# KiCad board pcb.kicad_pcb (continued)
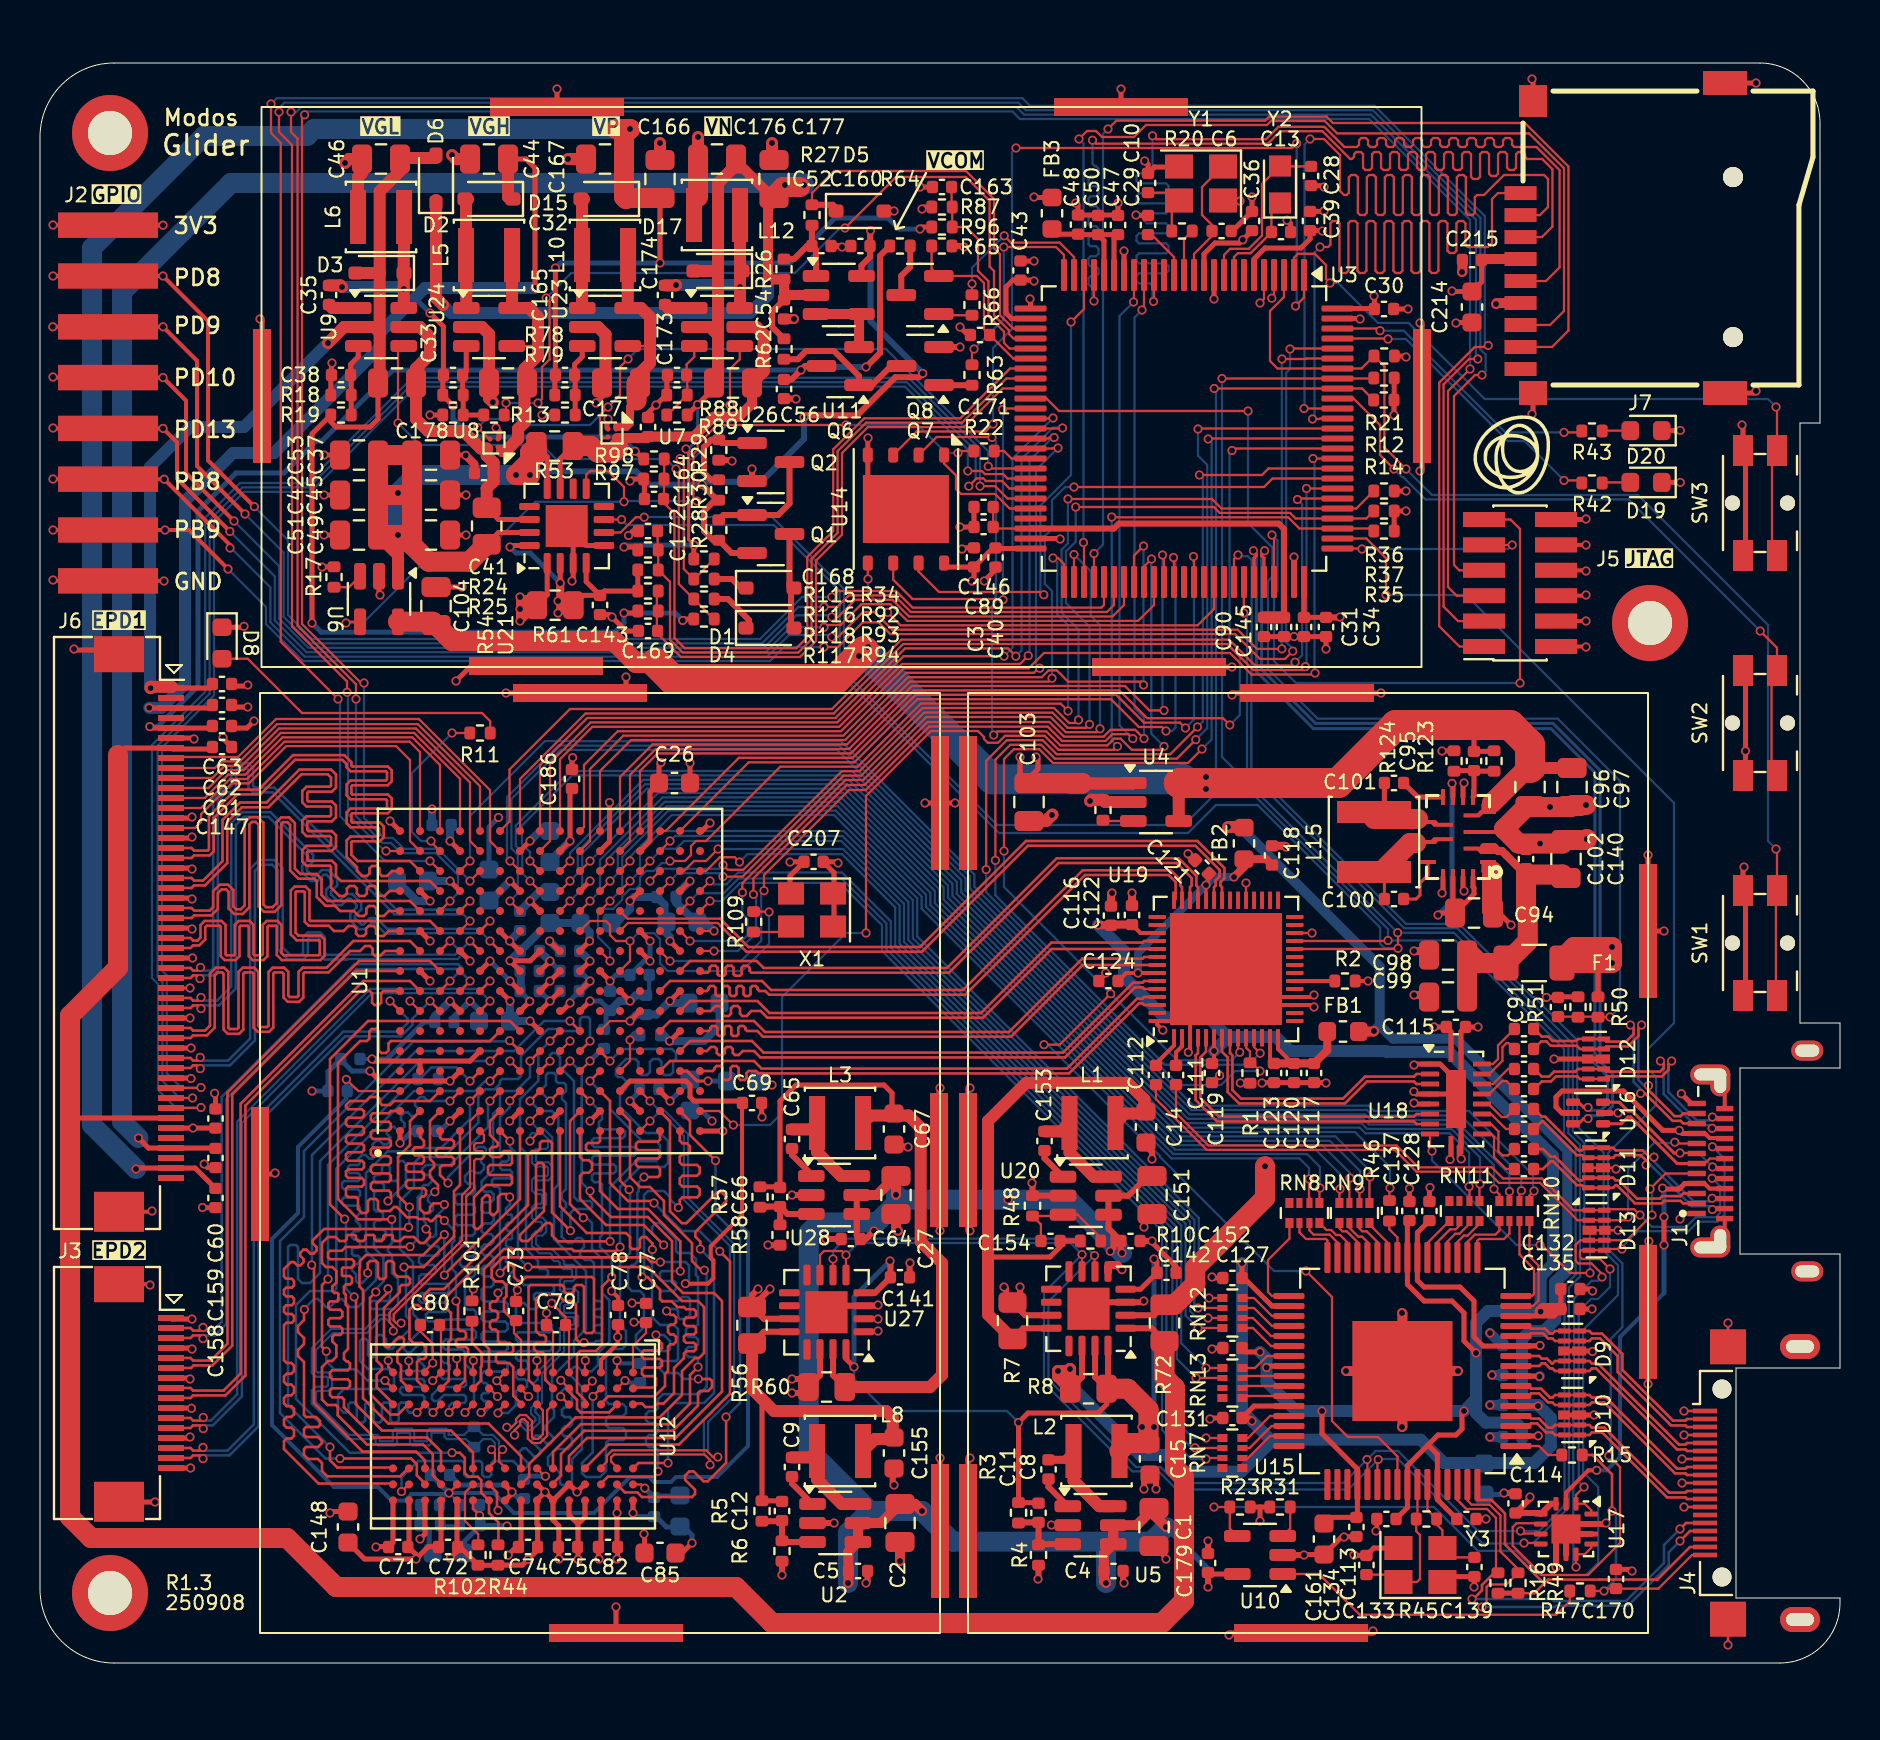
[diagram p0: board, top side]
## Placement (name value [footprint] x y rotation side) (continued)
RN9  33R / 4D02WGF330JTCE  [R_Array_Convex_4x0402]  65.72 22.5 90 top
RN10  33R / 4D02WGF330JTCE  [R_Array_Convex_4x0402]  73.72 22.6 90 top
RN11  33R / 4D02WGF330JTCE  [R_Array_Convex_4x0402]  71.22 22.6 90 top
RN12  33R / 4D02WGF330JTCE  [R_Array_Convex_4x0402]  59.62 17.5 180 top
RN13  33R / 4D02WGF330JTCE  [R_Array_Convex_4x0402]  59.62 14 180 top
SW1  SW  [Panasonic_EVQPUL_EVQPUC]  86 36 270 top
SW2  SW  [Panasonic_EVQPUL_EVQPUC]  86 47 270 top
SW3  SW  [Panasonic_EVQPUL_EVQPUC]  86 58 270 top
U1  XC6SLX-FTG256  [Xilinx_FTG256]  25.5 34.1 90 top
U2  SY8113C  [TSOT-23-6]  39.76 7 0 top
U3  STM32H750VBTx  [LQFP-100_14x14mm_P0.5mm]  57.2 61.73 270 top
U4  MT9700  [SOT-23-5]  55.8 43.05 0 top
U5  SY8113C  [TSOT-23-6]  52.53 6.89 0 top
U6  MT9700  [SOT-23-5]  16.95 53.2 270 top
U7  TPS22914BYFPR  [WLP-4_0.83x0.83mm_P0.4mm]  28.6 61.5 270 top
U8  TPS22914BYFPR  [WLP-4_0.83x0.83mm_P0.4mm]  22.7 61 180 top
U9  LGS5145  [TSOT-23-6]  17.05 66.8 0 top
U10  MT9700  [SOT-23-5]  61 5.4 180 top
U11  LM321  [SOT-23-5]  39.94 68.4 0 top
U12  MT41K64M16TW  [BGA-96_9.0x14.0mm_P0.8mm]  23.65 11.33 270 top
U13  JW3651QFNE  [QFN15_3X4_JW3651]  70.9 41.3 180 top
U14  W25Q32JV  [WSON-8-1EP_6x5mm_P1.27mm_EP3.4x4.3mm]  43.3 57.7 270 top
U15  ADV7611  [LQFP-64-1EP_10x10mm_P0.5mm_EP5x5mm]  68.12 14.6 180 top
U16  USBLC6-2P6  [SOT-666-Alt]  77.4 27.5 180 top
U17  FUSB302BMPX  [WQFN-14-1EP_2.5x2.5mm_P0.5mm_EP1.45x1.45mm]  76.3 6.7 270 top
U18  CBTL02043A  [WQFN-20-1EP_2.5x4.5mm_P0.5mm_EP1x2.9mm]  70.8 28.2 0 top
U19  PTN3460  [QFN-56-1EP_7x7mm_P0.4mm_EP5.6x5.6mm]  59.3 34.7 90 top
U20  SY8113C  [TSOT-23-6]  52.29 23.36 0 top
U21  INA3221  [Texas_RGV0016A_VQFN-16-1EP_4x4mm_P0.65mm_EP2.1x2.1mm]  26.33 56.85 90 top
U22  INA3221  [Texas_RGV0016A_VQFN-16-1EP_4x4mm_P0.65mm_EP2.1x2.1mm]  52.42 17.71 180 top
U23  LGS6302B5  [SOT-23-5]  28.25 66.8 0 top
U24  LGS6302B5  [SOT-23-5]  22.45 66.8 0 top
U26  LGS5145  [TSOT-23-6]  33.85 66.8 0 top
U27  INA3221  [Texas_RGV0016A_VQFN-16-1EP_4x4mm_P0.65mm_EP2.1x2.1mm]  39.33 17.54 180 top
U28  SY8113C  [TSOT-23-6]  39.7 23.4 0 top
X1  33.33MHz  [Oscillator_SMD_Abracon_ASE-4Pin_3.2x2.5mm]  38.6 37.65 180 top
Y1  24MHz  [Crystal_SMD_3225-4Pin_3.2x2.5mm]  58.05 73.97 180 top
Y2  32.768K  [Crystal_SMD_TXC_9HT11-2Pin_2.0x1.2mm_HandSoldering]  62 73.92 90 top
Y3  24MHz  [Crystal_SMD_3225-4Pin_3.2x2.5mm]  69.02 4.9 0 top

## Library data of the parts
C1 C2 C17 C27 C32 C94 C96 C104 C151 = -: Ref.Price: 0.0165; LCSC: C29277; ki_fp_filters: C_*
C3-C5 C7-C9 C29 C35 C54 C55 C64 C65 C91 C100-C102 C105-C112 C114 C115 C119-C124 C127-C131 C133-C139 C141-C143 C152 C153 C160 C171 C174 C179 C215 = -: LCSC: C131394; ki_fp_filters: C_*
C6 C10-C13 C28 C38 C41 C66 C113 C125 C154 C165 C175 = -: LCSC: C106202; ki_fp_filters: C_*
C14 C15 C67 C155 C161 C162 = -: Ref.Price: 0.0036; LCSC: C59461; ki_fp_filters: C_*
C16 C18-C21 C26 C92 C93 C148-C150 C156 = -: LCSC: C59461; Ref.Price: 0.0036; ki_fp_filters: C_*
C22-C24 C34 C47 C57 C59 C157 C182-C184 = -: LCSC: C307423; Ref.Price: 0.0036; ki_fp_filters: C_*
C25 C58 C68-C70 C73 C79-C84 C185-C190 = -: LCSC: C6119801; Ref.Price: 0.0036; ki_fp_filters: C_*
C30 C31 C36 C39 C40 C43 C48 C50 C60-C63 C71 C72 C74-C78 C147 C158 C159 = -: LCSC: C131394; Ref.Price: 0.0036; ki_fp_filters: C_*
C33 C44 C46 C98 C99 C140 C166 C167 C173 C176 C177 = -: LCSC: C6119903; ki_fp_filters: C_*
C37 C42 C45 C49 C51 C53 C97 C103 = -: LCSC: C29277; Ref.Price: 0.0165; ki_fp_filters: C_*
C52 C163 C164 C168 C169 C207 = -: LCSC: C6119801; ki_fp_filters: C_*
C56 C89 C90 C116-C118 C126 C132 C145 C146 = -: LCSC: C307423; ki_fp_filters: C_*
C85 C86 = -: LCSC: C59461; Ref.Price: 0.0301; ki_fp_filters: C_*
C87 = -: LCSC: C59461; Ref.Price: 0.0165; ki_fp_filters: C_*
C88 C144 = -: LCSC: C131394; Ref.Price: 0.0023; ki_fp_filters: C_*
C95 C170 = -: LCSC: C14442; ki_fp_filters: C_*
C172 C178 = -: Ref.Price: 0.0036; LCSC: C6119801; ki_fp_filters: C_*
C214 = -: LCSC: C59461; ki_fp_filters: C_*
D1-D4 D6 D15 D17 = -: LCSC: C488405; ki_fp_filters: D*SOD?323*
D5 = -: Sim.Device: D; Sim.Pins: 1=K 2=A; LCSC: C488405; ki_fp_filters: TO-???* *_Diode_* *SingleDiode* D_*
D8 D19 = -: LCSC: C965804; ki_fp_filters: LED* LED_SMD:* LED_THT:*
D9-D13 = -: LCSC: C907837; ki_fp_filters: UDFN*1.0x3.8mm*P0.5mm*
D20 = -: LCSC: C965799; ki_fp_filters: LED* LED_SMD:* LED_THT:*
F1 = -: Description: Fuse; LCSC: C14165; ki_fp_filters: *Fuse*
FB1-FB3 = -: LCSC: C14709; ki_fp_filters: Inductor_* L_* *Ferrite*
H1 H3 H4 = -: Description: Mounting Hole with connection; LCSC: DNP; ki_fp_filters: MountingHole*Pad*
H5-H9 H12-H23 H25 H26 = -: Description: Mounting Hole with connection; LCSC: C2836609; ki_fp_filters: MountingHole*Pad*
J1 = -: Datasheet: https://www.usb.org/sites/default/files/documents/usb_type-c.zip; LCSC: C5299422; ki_fp_filters: USB*C*Receptacle*
J2 = -: Description: Generic connectable mounting pin connector, single row, 01x08, script generated (kicad-library-utils/schlib/autogen/connector/); LCSC: DNP; ki_fp_filters: Connector*:*_1x??-1MP*
J3 = -: Description: Generic connectable mounting pin connector, single row, 01x16, script generated (kicad-library-utils/schlib/autogen/connector/); LCSC: C2856801; ki_fp_filters: Connector*:*_1x??-1MP*
J4 = -: Datasheet: http://pinoutguide.com/PortableDevices/mini_hdmi_pinout.shtml; Description: HDMI 1.3+ type C connector; LCSC: C27636755; ki_fp_filters: HDMI*C*
J5 = -: Description: Generic connector, double row, 02x06, odd/even pin numbering scheme (row 1 odd numbers, row 2 even numbers), script generated (kicad-library-utils/schlib/autogen/connector/); LCSC: C3975132; ki_fp_filters: Connector*:*_2x??_*
J6 = -: Description: "Generic connectable mounting pin connector, single row, 01x50, script generated"; LCSC: C2856813; ki_fp_filters: Connector*:*_1x??-1MP*
J7 = -: LCSC: C91145
L1-L3 L5 L6 L8 L10 L12 = -: LCSC: C98357; ki_fp_filters: Choke_* *Coil* Inductor_* L_*
L15 = -: LCSC: C98361; ki_fp_filters: Choke_* *Coil* Inductor_* L_*
Q1 Q7 Q8 = -: LCSC: C347476
Q2 = -: LCSC: C444723
Q6 = -: LCSC: C347475
R1 R2 R9 R29 R30 = -: LCSC: C25905; ki_fp_filters: R_*
R3 R13 R26 R28 R34 R51 R57 R58 R62 R87 R92-R94 R97 R116 R118 R124 = -: LCSC: C25741; ki_fp_filters: R_*
R4 R25 R27 R64 R89 = -: LCSC: C25768; ki_fp_filters: R_*
R5 R78 = -: LCSC: C25755; ki_fp_filters: R_*
R6 R48 = -: LCSC: C25750; ki_fp_filters: R_*
R7 R8 R53 R54 R56 R60 R61 R72 = -: LCSC: C7467301; ki_fp_filters: R_*
R10 R18 = -: LCSC: C64043; ki_fp_filters: R_*
R11 R12 R14 R16 R17 R19 R21 R23 R31 R42 R47 R49 R65 = -: LCSC: C25744; ki_fp_filters: R_*
R15 = -: Ref.Price: 0.001; LCSC: C25076; ki_fp_filters: R_*
R20 R22 R43 = -: LCSC: C11702; ki_fp_filters: R_*
R24 R88 = -: LCSC: C25782; ki_fp_filters: R_*
R35 R36 R44 R101 R103 = -: LCSC: C25905; Ref.Price: 0.0006; ki_fp_filters: R_*
R37 = -: LCSC: C11702; Ref.Price: 0.0006; ki_fp_filters: R_*
R40 = -: LCSC: C25076; Ref.Price: 0.0007; ki_fp_filters: R_*
R45 R50 R96 R98 R115 R117 = -: LCSC: C26083; ki_fp_filters: R_*
R46 R63 R66 R109 = -: LCSC: C25105; ki_fp_filters: R_*
R79 = -: LCSC: C25754; ki_fp_filters: R_*
R100 = -: LCSC: C25076; Ref.Price: 0.001; ki_fp_filters: R_*
R102 = -: LCSC: C25094; Ref.Price: 0.0009; ki_fp_filters: R_*
R104 R105 = -: LCSC: C11702; Ref.Price: 0.0025; ki_fp_filters: R_*
R123 = -: LCSC: C25790; ki_fp_filters: R_*
RN7-RN13 = -: LCSC: C425299; ki_fp_filters: DIP* SOIC* R*Array*Concave* R*Array*Convex*
SW1-SW3 = -: LCSC: C79174
U1 = -: Description: Spartan 6 LX 16 XC6SLX16-FTG256; LCSC: C39313
U2 U5 U20 U28 = -: LCSC: C6338414; ki_fp_filters: TSOT*23*
U3 = -: Datasheet: https://www.st.com/resource/en/datasheet/stm32h750vb.pdf; Description: STMicroelectronics Arm Cortex-M7 MCU, 128KB flash, 1024KB RAM, 480 MHz, 1.71-3.6V, 82 GPIO, LQFP100; LCSC: C404010; ki_fp_filters: LQFP*14x14mm*P0.5mm*
U4 U6 U10 = -: LCSC: C89855
U7 U8 = -: Datasheet: https://www.diodes.com/assets/Datasheets/AP22913.pdf; Description: Slew rate controlled load switch, WLCSP-4; LCSC: C1848394; ki_fp_filters: WLCSP*X1*WLB0909*0.89x0.89*P0.5mm*
U9 U26 = -: LCSC: C5123971; ki_fp_filters: TSOT*23*
U11 = -: Datasheet: http://www.ti.com/lit/ds/symlink/lm321.pdf; LCSC: C9405; ki_fp_filters: SOT?23*
U12 = -: LCSC: C524855; Ref.Price: 3.2405
U13 = -: LCSC: C5444670
U14 = -: Datasheet: http://www.winbond.com/resource-files/w25q32jv%20revg%2003272018%20plus.pdf; LCSC: C571260; Ref.Price: 0.9559; ki_fp_filters: WSON*1EP*6x5mm*P1.27mm*
U15 = -: Datasheet: https://www.analog.com/media/en/technical-documentation/data-sheets/adv7611.pdf; LCSC: C146553; ki_fp_filters: LQFP*1EP*10x10mm*P0.5mm*
U16 = -: Datasheet: https://www.st.com/resource/en/datasheet/usblc6-2.pdf; LCSC: C15999; ki_fp_filters: SOT?666*
U17 = -: Datasheet: http://www.onsemi.com/pub/Collateral/FUSB302B-D.PDF; LCSC: C132291; ki_fp_filters: WQFN*2.5x2.5mm*P0.5mm*EP1.45x1.45mm*
U18 = -: Datasheet: https://www.nxp.com/docs/en/data-sheet/CBTL02043A_CBTL02043B.pdf; LCSC: C2652457; ki_fp_filters: WQFN*1EP*2.5x4.5mm*P0.5mm*
U19 = -: Datasheet: https://www.nxp.com/docs/en/data-sheet/PTN3460.pdf; LCSC: C5190369
U21 U22 U27 = -: Datasheet: http://www.ti.com/lit/ds/symlink/ina3221.pdf; Description: Triple-Channel High-Side Shunt and Bus Voltage Monitor with I2C and SMBUS Compatible Interface, QFN-16; LCSC: C181255; ki_fp_filters: Texas*RGV0016A*
U23 U24 = -: Datasheet: https://datasheet.lcsc.com/lcsc/2304071430_Legend-Si-LGS6302_C5123975.pdf; Description: 1.5A, 1.2MHz Boost DC/DC Converter, adjustable 3-60V output voltage, SOT-23-5; LCSC: C5123975; ki_fp_filters: SOT?23*
X1 = -: Datasheet: http://www.abracon.com/Oscillators/ASV.pdf; LCSC: C46598403; ki_fp_filters: Oscillator*SMD*Abracon*ASE*3.2x2.5mm*
Y1 Y3 = -: LCSC: C70590; ki_fp_filters: Crystal*
Y2 = -: LCSC: C7500573; ki_fp_filters: Crystal*

## Footprints (pads in the part's own frame, mm; a bottom-side part is the same pattern mirrored in y, then rotated)
8P_2.54
  rect 1.27x5 smd: 1(-8.89,0) 2(-6.35,0) 3(-3.81,0) 4(-1.27,0) 5(1.27,0) 6(3.81,0) 7(6.35,0) 8(8.89,0)
BGA-96_9.0x14.0mm_P0.8mm
  round 0.4 smd: A1(-3.2,6) A2(-2.4,6) A3(-1.6,6) A7(1.6,6) A8(2.4,6) A9(3.2,6) B1(-3.2,5.2) B2(-2.4,5.2) B3(-1.6,5.2) B7(1.6,5.2) B8(2.4,5.2) B9(3.2,5.2) C1(-3.2,4.4) C2(-2.4,4.4) C3(-1.6,4.4) C7(1.6,4.4) C8(2.4,4.4) C9(3.2,4.4) D1(-3.2,3.6) D2(-2.4,3.6) D3(-1.6,3.6) D7(1.6,3.6) D8(2.4,3.6) D9(3.2,3.6) E1(-3.2,2.8) E2(-2.4,2.8) E3(-1.6,2.8) E7(1.6,2.8) E8(2.4,2.8) E9(3.2,2.8) F1(-3.2,2) F2(-2.4,2) F3(-1.6,2) F7(1.6,2) F8(2.4,2) F9(3.2,2) G1(-3.2,1.2) G2(-2.4,1.2) G3(-1.6,1.2) G7(1.6,1.2) G8(2.4,1.2) G9(3.2,1.2) H1(-3.2,0.4) H2(-2.4,0.4) H3(-1.6,0.4) H7(1.6,0.4) H8(2.4,0.4) H9(3.2,0.4) J1(-3.2,-0.4) J2(-2.4,-0.4) J3(-1.6,-0.4) J7(1.6,-0.4) J8(2.4,-0.4) J9(3.2,-0.4) K1(-3.2,-1.2) K2(-2.4,-1.2) K3(-1.6,-1.2) K7(1.6,-1.2) K8(2.4,-1.2) K9(3.2,-1.2) L1(-3.2,-2) L2(-2.4,-2) L3(-1.6,-2) L7(1.6,-2) L8(2.4,-2) L9(3.2,-2) M1(-3.2,-2.8) M2(-2.4,-2.8) M3(-1.6,-2.8) M7(1.6,-2.8) M8(2.4,-2.8) M9(3.2,-2.8) N1(-3.2,-3.6) N2(-2.4,-3.6) N3(-1.6,-3.6) N7(1.6,-3.6) N8(2.4,-3.6) N9(3.2,-3.6) P1(-3.2,-4.4) P2(-2.4,-4.4) P3(-1.6,-4.4) P7(1.6,-4.4) P8(2.4,-4.4) P9(3.2,-4.4) R1(-3.2,-5.2) R2(-2.4,-5.2) R3(-1.6,-5.2) R7(1.6,-5.2) R8(2.4,-5.2) R9(3.2,-5.2) T1(-3.2,-6) T2(-2.4,-6) T3(-1.6,-6) T7(1.6,-6) T8(2.4,-6) T9(3.2,-6)
C_0402_1005Metric
  rrect 0.56x0.62 smd: 1(-0.48,0) 2(0.48,0)
C_0603_1608Metric
  rrect 0.9x0.95 smd: 1(-0.775,0) 2(0.775,0)
C_0805_2012Metric
  rrect 1x1.45 smd: 1(-0.95,0) 2(0.95,0)
Crystal_SMD_3225-4Pin_3.2x2.5mm
  rect 1.4x1.2 smd: 1(-1.1,-0.85) 2(1.1,-0.85) 3(1.1,0.85) 4(-1.1,0.85)
Crystal_SMD_TXC_9HT11-2Pin_2.0x1.2mm_HandSoldering
  rect 1.05x1.1 smd: 1(-0.925,0) 2(0.925,0)
D_SOD-323_Alt
  rrect 0.75x0.65 smd: 1(-1.2,0) 2(1.2,0)
Diodes_UDFN-10_1.0x2.5mm_P0.5mm
  rect 0.625x0.25 smd: 1(-0.388,1) 2(-0.388,0.5) 4(-0.388,-0.5) 5(-0.388,-1) 6(0.388,-1) 7(0.388,-0.5) 9(0.388,0.5) 10(0.388,1)
  rect 0.7x0.45 smd: 3(-0.35,0)
  rect 0.575x0.45 smd: 8(0.412,0)
Fuse_1206_3216Metric
  rrect 1.25x1.75 smd: 1(-1.4,0) 2(1.4,0)
HDMI_C_GT-HD006A-CGNGX
  round 0.95 hole 0.95 unplated: (-4.7,3.9) (4.7,3.9)
  rect 0.23x1.2 smd: 1(3.6,4.75) 2(3.2,4.75) 3(2.8,4.75) 4(2.4,4.75) 5(2,4.75) 6(1.6,4.75) 7(1.2,4.75) 8(0.8,4.75) 9(0.4,4.75) 10(0,4.75) 11(-0.4,4.75) 12(-0.8,4.75) 13(-1.2,4.75) 14(-1.6,4.75) 15(-2,4.75) 16(-2.4,4.75) 17(-2.8,4.75) 18(-3.2,4.75) 19(-3.6,4.75)
  oval 1.25x2 hole 0.65x1.4: SH(-6.825,0) SH(6.825,0)
  rect 1.75x1.8 smd: SH(-6.81,3.6) SH(6.81,3.6)
ICSRC6508-030SFR
  rect 1.1x0.8 smd: (-2.75,0) (2.75,0)
  rect 1x0.8 smd: (0,0)
  rect 6.7x0.9 smd: 1(0,0)
L_0603_1608Metric
  rrect 0.875x0.95 smd: 1(-0.787,0) 2(0.787,0)
L_Changjiang_FNR3012S
  rect 0.8x2.7 smd: 1(-1.15,0) 2(1.15,0)
L_Changjiang_FNR4020S
  rect 1.1x3.7 smd: 1(-1.5,0) 2(1.5,0)
LED_0603_1608Metric
  rrect 0.875x0.95 smd: 1(-0.787,0) 2(0.787,0)
LQFP-64-1EP_10x10mm_P0.5mm_EP5x5mm
  rrect 0.81x0.81 smd: (-2,2) (-2,1) (-2,0) (-2,-1) (-2,-2) (-1,2) (-1,1) (-1,0) (-1,-1) (-1,-2) (0,2) (0,1) (0,0) (0,-1) (0,-2) (1,2) (1,1) (1,0) (1,-1) (1,-2) (2,2) (2,1) (2,0) (2,-1) (2,-2)
  rrect 1.55x0.3 smd: 1(-5.675,3.75) 2(-5.675,3.25) 3(-5.675,2.75) 4(-5.675,2.25) 5(-5.675,1.75) 6(-5.675,1.25) 7(-5.675,0.75) 8(-5.675,0.25) 9(-5.675,-0.25) 10(-5.675,-0.75) 11(-5.675,-1.25) 12(-5.675,-1.75) 13(-5.675,-2.25) 14(-5.675,-2.75) 15(-5.675,-3.25) 16(-5.675,-3.75) 33(5.675,-3.75) 34(5.675,-3.25) 35(5.675,-2.75) 36(5.675,-2.25) 37(5.675,-1.75) 38(5.675,-1.25) 39(5.675,-0.75) 40(5.675,-0.25) 41(5.675,0.25) 42(5.675,0.75) 43(5.675,1.25) 44(5.675,1.75) 45(5.675,2.25) 46(5.675,2.75) 47(5.675,3.25) 48(5.675,3.75)
  rrect 0.3x1.55 smd: 17(-3.75,-5.675) 18(-3.25,-5.675) 19(-2.75,-5.675) 20(-2.25,-5.675) 21(-1.75,-5.675) 22(-1.25,-5.675) 23(-0.75,-5.675) 24(-0.25,-5.675) 25(0.25,-5.675) 26(0.75,-5.675) 27(1.25,-5.675) 28(1.75,-5.675) 29(2.25,-5.675) 30(2.75,-5.675) 31(3.25,-5.675) 32(3.75,-5.675) 49(3.75,5.675) 50(3.25,5.675) 51(2.75,5.675) 52(2.25,5.675) 53(1.75,5.675) 54(1.25,5.675) 55(0.75,5.675) 56(0.25,5.675) 57(-0.25,5.675) 58(-0.75,5.675) 59(-1.25,5.675) 60(-1.75,5.675) 61(-2.25,5.675) 62(-2.75,5.675) 63(-3.25,5.675) 64(-3.75,5.675)
  rect 5x5 smd: 65(0,0)
LQFP-100_14x14mm_P0.5mm
  rrect 1.6x0.3 smd: 1(-7.675,6) 2(-7.675,5.5) 3(-7.675,5) 4(-7.675,4.5) 5(-7.675,4) 6(-7.675,3.5) 7(-7.675,3) 8(-7.675,2.5) 9(-7.675,2) 10(-7.675,1.5) 11(-7.675,1) 12(-7.675,0.5) 13(-7.675,0) 14(-7.675,-0.5) 15(-7.675,-1) 16(-7.675,-1.5) 17(-7.675,-2) 18(-7.675,-2.5) 19(-7.675,-3) 20(-7.675,-3.5) 21(-7.675,-4) 22(-7.675,-4.5) 23(-7.675,-5) 24(-7.675,-5.5) 25(-7.675,-6) 51(7.675,-6) 52(7.675,-5.5) 53(7.675,-5) 54(7.675,-4.5) 55(7.675,-4) 56(7.675,-3.5) 57(7.675,-3) 58(7.675,-2.5) 59(7.675,-2) 60(7.675,-1.5) 61(7.675,-1) 62(7.675,-0.5) 63(7.675,0) 64(7.675,0.5) 65(7.675,1) 66(7.675,1.5) 67(7.675,2) 68(7.675,2.5) 69(7.675,3) 70(7.675,3.5) 71(7.675,4) 72(7.675,4.5) 73(7.675,5) 74(7.675,5.5) 75(7.675,6)
  rrect 0.3x1.6 smd: 26(-6,-7.675) 27(-5.5,-7.675) 28(-5,-7.675) 29(-4.5,-7.675) 30(-4,-7.675) 31(-3.5,-7.675) 32(-3,-7.675) 33(-2.5,-7.675) 34(-2,-7.675) 35(-1.5,-7.675) 36(-1,-7.675) 37(-0.5,-7.675) 38(0,-7.675) 39(0.5,-7.675) 40(1,-7.675) 41(1.5,-7.675) 42(2,-7.675) 43(2.5,-7.675) 44(3,-7.675) 45(3.5,-7.675) 46(4,-7.675) 47(4.5,-7.675) 48(5,-7.675) 49(5.5,-7.675) 50(6,-7.675) 76(6,7.675) 77(5.5,7.675) 78(5,7.675) 79(4.5,7.675) 80(4,7.675) 81(3.5,7.675) 82(3,7.675) 83(2.5,7.675) 84(2,7.675) 85(1.5,7.675) 86(1,7.675) 87(0.5,7.675) 88(0,7.675) 89(-0.5,7.675) 90(-1,7.675) 91(-1.5,7.675) 92(-2,7.675) 93(-2.5,7.675) 94(-3,7.675) 95(-3.5,7.675) 96(-4,7.675) 97(-4.5,7.675) 98(-5,7.675) 99(-5.5,7.675) 100(-6,7.675)
MountingHole_2.2mm_M2_DIN965_Pad
  round 3.8 hole 2.2: 1(0,0)
Oscillator_SMD_Abracon_ASE-4Pin_3.2x2.5mm
  rect 1.3x1.1 smd: 1(-1.05,-0.825) 2(1.05,-0.825) 3(1.05,0.825) 4(-1.05,0.825)
Panasonic_EVQPUL_EVQPUC
  round 0.75 hole 0.75 unplated: (0,1.375) (0,-1.375)
  rect 1.55x1 smd: 1(-2.625,0.85) 1(2.625,0.85) 2(-2.625,-0.85) 2(2.625,-0.85)
PinSocket_2x06_P1.27mm_Vertical_SMD
  rect 2.1x0.75 smd: 1(1.8,3.175) 2(-1.8,3.175) 3(1.8,1.905) 4(-1.8,1.905) 5(1.8,0.635) 6(-1.8,0.635) 7(1.8,-0.635) 8(-1.8,-0.635) 9(1.8,-1.905) 10(-1.8,-1.905) 11(1.8,-3.175) 12(-1.8,-3.175)
QFN15_3X4_JW3651
  rect 0.8x0.2 smd: 1(-1.5,1.25) 11(1.5,1.25)
  custom 1.62x0.37 smd: 2(-1.9,0.85) 4(-1.9,-1.35)
  round 0.025 smd: 2(-1.09,0.665) 4(-1.09,-1.165) 9(1.075,-0.68) 10(1.075,0.18)
  rect 1.62x0.2 smd: 3(-1.09,-0.25)
  rrect 0.2x0.8 smd: 5(-0.75,-2) 6(-0.25,-2) 7(0.25,-2) 8(0.75,-2) 12(0.75,2) 13(0.25,2) 14(-0.25,2) 15(-0.75,2)
  custom 1.65x0.34 smd: 9(0.25,-0.51) 10(0.25,0.01)
QFN-56-1EP_7x7mm_P0.4mm_EP5.6x5.6mm
  rrect 1.13x1.13 smd: (-2.1,2.1) (-2.1,0.7) (-2.1,-0.7) (-2.1,-2.1) (-0.7,2.1) (-0.7,0.7) (-0.7,-0.7) (-0.7,-2.1) (0.7,2.1) (0.7,0.7) (0.7,-0.7) (0.7,-2.1) (2.1,2.1) (2.1,0.7) (2.1,-0.7) (2.1,-2.1)
  rrect 0.875x0.2 smd: 1(-3.438,2.6) 2(-3.438,2.2) 3(-3.438,1.8) 4(-3.438,1.4) 5(-3.438,1) 6(-3.438,0.6) 7(-3.438,0.2) 8(-3.438,-0.2) 9(-3.438,-0.6) 10(-3.438,-1) 11(-3.438,-1.4) 12(-3.438,-1.8) 13(-3.438,-2.2) 14(-3.438,-2.6) 29(3.438,-2.6) 30(3.438,-2.2) 31(3.438,-1.8) 32(3.438,-1.4) 33(3.438,-1) 34(3.438,-0.6) 35(3.438,-0.2) 36(3.438,0.2) 37(3.438,0.6) 38(3.438,1) 39(3.438,1.4) 40(3.438,1.8) 41(3.438,2.2) 42(3.438,2.6)
  rrect 0.2x0.875 smd: 15(-2.6,-3.438) 16(-2.2,-3.438) 17(-1.8,-3.438) 18(-1.4,-3.438) 19(-1,-3.438) 20(-0.6,-3.438) 21(-0.2,-3.438) 22(0.2,-3.438) 23(0.6,-3.438) 24(1,-3.438) 25(1.4,-3.438) 26(1.8,-3.438) 27(2.2,-3.438) 28(2.6,-3.438) 43(2.6,3.438) 44(2.2,3.438) 45(1.8,3.438) 46(1.4,3.438) 47(1,3.438) 48(0.6,3.438) 49(0.2,3.438) 50(-0.2,3.438) 51(-0.6,3.438) 52(-1,3.438) 53(-1.4,3.438) 54(-1.8,3.438) 55(-2.2,3.438) 56(-2.6,3.438)
  rect 5.6x5.6 smd: 57(0,0)
R_0402_1005Metric
  rrect 0.54x0.64 smd: 1(-0.51,0) 2(0.51,0)
R_0805_2012Metric
  rrect 1.025x1.4 smd: 1(-0.912,0) 2(0.912,0)
R_Array_Convex_4x0402
  rect 0.5x0.4 smd: 1(-0.5,0.75) 4(-0.5,-0.75) 5(0.5,-0.75) 8(0.5,0.75)
  rect 0.5x0.3 smd: 2(-0.5,0.25) 3(-0.5,-0.25) 6(0.5,-0.25) 7(0.5,0.25)
SOT-23
  rrect 1.475x0.6 smd: 1(-0.938,0.95) 2(-0.938,-0.95) 3(0.938,0)
SOT-23-5
  rrect 1.325x0.6 smd: 1(-1.137,0.95) 2(-1.137,0) 3(-1.137,-0.95) 4(1.137,-0.95) 5(1.137,0.95)
SOT-666-Alt
  rrect 0.7x0.375 smd: 1(-0.75,0.537) 3(-0.75,-0.537) 4(0.75,-0.537) 6(0.75,0.537)
  rrect 0.85x0.3 smd: 2(-0.825,0) 5(0.825,0)
Texas_RGV0016A_VQFN-16-1EP_4x4mm_P0.65mm_EP2.1x2.1mm
  rrect 0.85x0.85 smd: (-0.525,0.525) (-0.525,-0.525) (0.525,0.525) (0.525,-0.525)
  rrect 1.025x0.35 smd: 1(-1.863,0.975) 2(-1.863,0.325) 3(-1.863,-0.325) 4(-1.863,-0.975) 9(1.863,-0.975) 10(1.863,-0.325) 11(1.863,0.325) 12(1.863,0.975)
  rrect 0.35x1.025 smd: 5(-0.975,-1.863) 6(-0.325,-1.863) 7(0.325,-1.863) 8(0.975,-1.863) 13(0.975,1.863) 14(0.325,1.863) 15(-0.325,1.863) 16(-0.975,1.863)
  rect 2.1x2.1 smd: 17(0,0)
TFC-WPAPR-08
  round 1 hole 1 unplated: (3.251,3.048) (3.251,-4.953)
  rect 1.598x0.699 smd: 1(-7.374,2.248) 2(-7.374,1.148) 3(-7.374,0.048) 4(-7.374,-1.049) 5(-7.374,-2.149) 6(-7.374,-3.249) 7(-7.374,-4.348) 8(-7.374,-5.448) 9(-7.374,-6.548)
  rect 1.4x1.199 smd: 10(-6.749,-7.75)
  rect 1.4x1.598 smd: 11(-6.749,6.848)
  rect 2.2x1.199 smd: 12(2.85,-7.75) 13(2.85,7.75)
TSOT-23-6
  rrect 1.325x0.6 smd: 1(-1.137,0.95) 2(-1.137,0) 3(-1.137,-0.95) 4(1.137,-0.95) 5(1.137,0) 6(1.137,0.95)
USB_C_Receptacle_GT-USB-7007A
  rect 0.27x0.9 smd: A1(-2.625,5.525) A2(-2.125,5.525) A3(-1.625,5.525) A4(-1.125,5.525) A5(-0.625,5.525) A6(-0.125,5.525) A7(0.375,5.525) A8(0.875,5.525) A9(1.375,5.525) A10(1.875,5.525) A11(2.375,5.525) A12(2.875,5.525)
  rect 0.27x0.85 smd: B1(2.62,4.125) B2(2.12,4.125) B3(1.62,4.125) B4(1.12,4.125) B5(0.62,4.125) B6(0.12,4.125) B7(-0.38,4.125) B8(-0.88,4.125) B9(-1.38,4.125) B10(-1.88,4.125) B11(-2.38,4.125) B12(-2.88,4.125)
  oval 1x1.6 hole 0.6x1.2: S1(-5.52,0) S1(5.52,0)
  oval 1x2 hole 0.6x1.6: S1(-4.325,4.85) S1(4.325,4.85)
  oval 1.54x1 hole 1.2x0.6: S1(-4,4.35) S1(4,4.35)
WLP-4_0.83x0.83mm_P0.4mm
  round 0.25 smd: A1(-0.2,0.2) A2(0.2,0.2) B1(-0.2,-0.2) B2(0.2,-0.2)
WQFN-14-1EP_2.5x2.5mm_P0.5mm_EP1.45x1.45mm
  rrect 0.58x0.58 smd: (-0.36,0.36) (-0.36,-0.36) (0.36,0.36) (0.36,-0.36)
  rrect 0.675x0.25 smd: 1(-1.262,0.5) 2(-1.262,0) 3(-1.262,-0.5) 8(1.262,-0.5) 9(1.262,0) 10(1.262,0.5)
  rrect 0.25x0.675 smd: 4(-0.75,-1.262) 5(-0.25,-1.262) 6(0.25,-1.262) 7(0.75,-1.262) 11(0.75,1.262) 12(0.25,1.262) 13(-0.25,1.262) 14(-0.75,1.262)
  rect 1.45x1.45 smd: 15(0,0)
WQFN-20-1EP_2.5x4.5mm_P0.5mm_EP1x2.9mm
  rect 0.8x0.8 smd: (0,0.95) (0,0) (0,-0.95)
  rect 0.24x0.9 smd: 1(-0.25,2.3) 10(-0.25,-2.3) 11(0.25,-2.3) 20(0.25,2.3)
  rect 0.9x0.24 smd: 2(-1.3,1.75) 3(-1.3,1.25) 4(-1.3,0.75) 5(-1.3,0.25) 6(-1.3,-0.25) 7(-1.3,-0.75) 8(-1.3,-1.25) 9(-1.3,-1.75) 12(1.3,-1.75) 13(1.3,-1.25) 14(1.3,-0.75) 15(1.3,-0.25) 16(1.3,0.25) 17(1.3,0.75) 18(1.3,1.25) 19(1.3,1.75)
  rect 1x2.9 smd: 21(0,0)
WSON-8-1EP_6x5mm_P1.27mm_EP3.4x4.3mm
  rrect 1.37x1.73 smd: (-0.85,1.075) (-0.85,-1.075) (0.85,1.075) (0.85,-1.075)
  rrect 0.75x0.5 smd: 1(-2.7,1.905) 2(-2.7,0.635) 3(-2.7,-0.635) 4(-2.7,-1.905) 5(2.7,-1.905) 6(2.7,-0.635) 7(2.7,0.635) 8(2.7,1.905)
  rect 3.4x4.3 smd: 9(0,0)
Xilinx_FTG256
  round 0.4 smd: A1(-7.5,7.5) A2(-6.5,7.5) A3(-5.5,7.5) A4(-4.5,7.5) A5(-3.5,7.5) A6(-2.5,7.5) A7(-1.5,7.5) A8(-0.5,7.5) A9(0.5,7.5) A10(1.5,7.5) A11(2.5,7.5) A12(3.5,7.5) A13(4.5,7.5) A14(5.5,7.5) A15(6.5,7.5) A16(7.5,7.5) B1(-7.5,6.5) B2(-6.5,6.5) B3(-5.5,6.5) B4(-4.5,6.5) B5(-3.5,6.5) B6(-2.5,6.5) B7(-1.5,6.5) B8(-0.5,6.5) B9(0.5,6.5) B10(1.5,6.5) B11(2.5,6.5) B12(3.5,6.5) B13(4.5,6.5) B14(5.5,6.5) B15(6.5,6.5) B16(7.5,6.5) C1(-7.5,5.5) C2(-6.5,5.5) C3(-5.5,5.5) C4(-4.5,5.5) C5(-3.5,5.5) C6(-2.5,5.5) C7(-1.5,5.5) C8(-0.5,5.5) C9(0.5,5.5) C10(1.5,5.5) C11(2.5,5.5) C12(3.5,5.5) C13(4.5,5.5) C14(5.5,5.5) C15(6.5,5.5) C16(7.5,5.5) D1(-7.5,4.5) D2(-6.5,4.5) D3(-5.5,4.5) D4(-4.5,4.5) D5(-3.5,4.5) D6(-2.5,4.5) D7(-1.5,4.5) D8(-0.5,4.5) D9(0.5,4.5) D10(1.5,4.5) D11(2.5,4.5) D12(3.5,4.5) D13(4.5,4.5) D14(5.5,4.5) D15(6.5,4.5) D16(7.5,4.5) E1(-7.5,3.5) E2(-6.5,3.5) E3(-5.5,3.5) E4(-4.5,3.5) E5(-3.5,3.5) E6(-2.5,3.5) E7(-1.5,3.5) E8(-0.5,3.5) E9(0.5,3.5) E10(1.5,3.5) E11(2.5,3.5) E12(3.5,3.5) E13(4.5,3.5) E14(5.5,3.5) E15(6.5,3.5) E16(7.5,3.5) F1(-7.5,2.5) F2(-6.5,2.5) F3(-5.5,2.5) F4(-4.5,2.5) F5(-3.5,2.5) F6(-2.5,2.5) F7(-1.5,2.5) F8(-0.5,2.5) F9(0.5,2.5) F10(1.5,2.5) F11(2.5,2.5) F12(3.5,2.5) F13(4.5,2.5) F14(5.5,2.5) F15(6.5,2.5) F16(7.5,2.5) G1(-7.5,1.5) G2(-6.5,1.5) G3(-5.5,1.5) G4(-4.5,1.5) G5(-3.5,1.5) G6(-2.5,1.5) G7(-1.5,1.5) G8(-0.5,1.5) G9(0.5,1.5) G10(1.5,1.5) G11(2.5,1.5) G12(3.5,1.5) G13(4.5,1.5) G14(5.5,1.5) G15(6.5,1.5) G16(7.5,1.5) H1(-7.5,0.5) H2(-6.5,0.5) H3(-5.5,0.5) H4(-4.5,0.5) H5(-3.5,0.5) H6(-2.5,0.5) H7(-1.5,0.5) H8(-0.5,0.5) H9(0.5,0.5) H10(1.5,0.5) H11(2.5,0.5) H12(3.5,0.5) H13(4.5,0.5) H14(5.5,0.5) H15(6.5,0.5) H16(7.5,0.5) J1(-7.5,-0.5) J2(-6.5,-0.5) J3(-5.5,-0.5) J4(-4.5,-0.5) J5(-3.5,-0.5) J6(-2.5,-0.5) J7(-1.5,-0.5) J8(-0.5,-0.5) J9(0.5,-0.5) J10(1.5,-0.5) J11(2.5,-0.5) J12(3.5,-0.5) J13(4.5,-0.5) J14(5.5,-0.5) J15(6.5,-0.5) J16(7.5,-0.5) K1(-7.5,-1.5) K2(-6.5,-1.5) K3(-5.5,-1.5) K4(-4.5,-1.5) K5(-3.5,-1.5) K6(-2.5,-1.5) K7(-1.5,-1.5) K8(-0.5,-1.5) K9(0.5,-1.5) K10(1.5,-1.5) K11(2.5,-1.5) K12(3.5,-1.5) K13(4.5,-1.5) K14(5.5,-1.5) K15(6.5,-1.5) K16(7.5,-1.5) L1(-7.5,-2.5) L2(-6.5,-2.5) L3(-5.5,-2.5) L4(-4.5,-2.5) L5(-3.5,-2.5) L6(-2.5,-2.5) L7(-1.5,-2.5) L8(-0.5,-2.5) L9(0.5,-2.5) L10(1.5,-2.5) L11(2.5,-2.5) L12(3.5,-2.5) L13(4.5,-2.5) L14(5.5,-2.5) L15(6.5,-2.5) L16(7.5,-2.5) M1(-7.5,-3.5) M2(-6.5,-3.5) M3(-5.5,-3.5) M4(-4.5,-3.5) M5(-3.5,-3.5) M6(-2.5,-3.5) M7(-1.5,-3.5) M8(-0.5,-3.5) M9(0.5,-3.5) M10(1.5,-3.5) M11(2.5,-3.5) M12(3.5,-3.5) M13(4.5,-3.5) M14(5.5,-3.5) M15(6.5,-3.5) M16(7.5,-3.5) N1(-7.5,-4.5) N2(-6.5,-4.5) N3(-5.5,-4.5) N4(-4.5,-4.5) N5(-3.5,-4.5) N6(-2.5,-4.5) N7(-1.5,-4.5) N8(-0.5,-4.5) N9(0.5,-4.5) N10(1.5,-4.5) N11(2.5,-4.5) N12(3.5,-4.5) N13(4.5,-4.5) N14(5.5,-4.5) N15(6.5,-4.5) N16(7.5,-4.5) P1(-7.5,-5.5) P2(-6.5,-5.5) P3(-5.5,-5.5) P4(-4.5,-5.5) P5(-3.5,-5.5) P6(-2.5,-5.5) P7(-1.5,-5.5) P8(-0.5,-5.5) P9(0.5,-5.5) P10(1.5,-5.5) P11(2.5,-5.5) P12(3.5,-5.5) P13(4.5,-5.5) P14(5.5,-5.5) P15(6.5,-5.5) P16(7.5,-5.5) R1(-7.5,-6.5) R2(-6.5,-6.5) R3(-5.5,-6.5) R4(-4.5,-6.5) R5(-3.5,-6.5) R6(-2.5,-6.5) R7(-1.5,-6.5) R8(-0.5,-6.5) R9(0.5,-6.5) R10(1.5,-6.5) R11(2.5,-6.5) R12(3.5,-6.5) R13(4.5,-6.5) R14(5.5,-6.5) R15(6.5,-6.5) R16(7.5,-6.5) T1(-7.5,-7.5) T2(-6.5,-7.5) T3(-5.5,-7.5) T4(-4.5,-7.5) T5(-3.5,-7.5) T6(-2.5,-7.5) T7(-1.5,-7.5) T8(-0.5,-7.5) T9(0.5,-7.5) T10(1.5,-7.5) T11(2.5,-7.5) T12(3.5,-7.5) T13(4.5,-7.5) T14(5.5,-7.5) T15(6.5,-7.5) T16(7.5,-7.5)
Xunpu_FPC-05F-16PH20_1x16-1MP_P0.50mm_Horizontal
  rect 0.3x1.3 smd: 1(-3.75,1.85) 2(-3.25,1.85) 3(-2.75,1.85) 4(-2.25,1.85) 5(-1.75,1.85) 6(-1.25,1.85) 7(-0.75,1.85) 8(-0.25,1.85) 9(0.25,1.85) 10(0.75,1.85) 11(1.25,1.85) 12(1.75,1.85) 13(2.25,1.85) 14(2.75,1.85) 15(3.25,1.85) 16(3.75,1.85)
  rect 1.8x2.5 smd: MP(-5.44,-0.75)
  rect 2x2.5 smd: MP(5.44,-0.75)
Xunpu_FPC-05F-50PH20_1x50-1MP_P0.50mm_Horizontal
  rect 0.3x1.3 smd: 1(-12.25,1.85) 2(-11.75,1.85) 3(-11.25,1.85) 4(-10.75,1.85) 5(-10.25,1.85) 6(-9.75,1.85) 7(-9.25,1.85) 8(-8.75,1.85) 9(-8.25,1.85) 10(-7.75,1.85) 11(-7.25,1.85) 12(-6.75,1.85) 13(-6.25,1.85) 14(-5.75,1.85) 15(-5.25,1.85) 16(-4.75,1.85) 17(-4.25,1.85) 18(-3.75,1.85) 19(-3.25,1.85) 20(-2.75,1.85) 21(-2.25,1.85) 22(-1.75,1.85) 23(-1.25,1.85) 24(-0.75,1.85) 25(-0.25,1.85) 26(0.25,1.85) 27(0.75,1.85) 28(1.25,1.85) 29(1.75,1.85) 30(2.25,1.85) 31(2.75,1.85) 32(3.25,1.85) 33(3.75,1.85) 34(4.25,1.85) 35(4.75,1.85) 36(5.25,1.85) 37(5.75,1.85) 38(6.25,1.85) 39(6.75,1.85) 40(7.25,1.85) 41(7.75,1.85) 42(8.25,1.85) 43(8.75,1.85) 44(9.25,1.85) 45(9.75,1.85) 46(10.25,1.85) 47(10.75,1.85) 48(11.25,1.85) 49(11.75,1.85) 50(12.25,1.85)
  rect 1.8x2.5 smd: MP(-13.94,-0.75)
  rect 2x2.5 smd: MP(13.94,-0.75)

## Nets
+1V2_DCDC: C66.1 C67.1 L3.2 R57.1 R60.2 U27.15
+1V2_FPGA: C18.1 C20.1 C22.1 C24.1 C57.1 C59.1 C68.1 R60.1 U1.G7 U1.G9 U1.H8 U1.H10 U1.J7 U1.J9 U1.K8 U1.K10 U27.14
+1V8_DCDC: C14.1 C154.1 L1.2 R7.2 R10.1 U22.12
+1V8_VID: C116.1 C119.1 C122.1 C132.1 C133.1 C134.1 C135.1 C136.1 C137.1 C138.1 C139.1 C161.1 R7.1 U15.2 U15.14 U15.24 U15.40 U15.52 U15.57 U15.60 U19.6 U19.45 U22.11
+1V35: C16.1 C71.1 C72.1 C74.1 C75.1 C77.1 C78.1 C79.1 C80.1 C81.1 C82.1 C83.1 C84.1 C85.1 C86.1 C87.1 C88.1 C148.1 C157.1 C185.1 C189.1 R56.1 R104.1 U1.D2 U1.G4 U1.J2 U1.K4 U1.N2 U12.A1 U12.A8 U12.B2 U12.C1 U12.C9 U12.D2 U12.D9 U12.E9 U12.F1 U12.G7 U12.H2 U12.H9 U12.K2 U12.K8 U12.N1 U12.N9 U12.R1 U12.R9 U27.11
+1V35_DCDC: C12.1 C155.1 L8.2 R5.1 R56.2 U27.12
+3V3: C3.1 C19.1 C21.1 C23.1 C25.1 C26.1 C30.1 C31.1 C34.1 C36.1 C39.1 C40.1 C43.1 C58.1 C60.1 C92.1 C93.1 C114.1 C115.1 C149.1 C150.1 C156.1 C182.1 C183.1 C184.1 C186.1 C187.1 C188.1 C190.1 C207.2 C214.1 C215.1 FB3.1 J2.1 J5.12 J6.6 J6.45 J7.4 Q7.2 R12.1 R14.1 R35.1 R37.1 R61.1 R65.1 SW1.2 SW2.2 SW3.2 U1.B4 U1.B9 U1.B13 U1.D7 U1.D10 U1.D15 U1.E5 U1.F8 U1.F11 U1.G10 U1.G13 U1.H6 U1.J10 U1.J15 U1.K13 U1.L6 U1.L9 U1.N7 U1.N10 U1.N11 U1.N15 U1.R4 U1.R8 U1.R13 U1.T11 U3.6 U3.11 U3.27 U3.50 U3.75 U3.100 U14.8 U17.3 U17.4 U18.1 U18.6 U18.10 U21.1 U22.5 X1.1 X1.4
+3V3_DCDC: C11.1 C15.1 C141.1 C142.1 C143.1 L2.2 R3.1 R8.2 R61.2 R116.2 R118.2 U21.2 U21.4 U21.16 U22.4 U22.15 U22.16 U27.4 U27.16
+3V3_VID: C126.1 C127.1 C128.1 C129.1 C130.1 C131.1 C162.1 FB1.1 FB2.1 R8.1 U15.5 U15.8 U15.11 U15.23 U15.34 U15.44 U22.14
+3V3A: C47.1 C48.1 C50.1 FB3.2 U3.20 U3.21
+5V: C1.2 C2.2 C4.2 C5.2 C27.2 C64.2 C103.2 C151.2 C152.2 C179.1 U2.4 U2.5 U4.1 U5.4 U5.5 U10.5 U20.4 U20.5 U28.4 U28.5
+5V2_FL: C147.1 J6.7 J6.44 R72.1 U22.1
+5V_DCDC: C95.1 C96.2 C97.2 C104.2 R72.2 R123.1 U4.4 U4.5 U6.5 U13.4 U22.2
+5V_EG: C33.2 C178.1 R54.2 U8.A2 U9.5 U21.14
+5V_EPD: C37.2 C42.2 C45.2 C49.2 C51.2 C53.2 C160.2 Q1.2 R28.2 R30.1 R53.1 R54.1 U6.1 U11.5 U21.12 U21.15
+5V_ES: C172.1 C173.2 R53.2 U7.A2 U21.11 U26.5
+5V_HDMI: J4.18 R16.2 R49.2 U15.64
+VBUS: F1.1 J1.A4 J1.A9 J1.B4 J1.B9 R50.1 U16.5 U17.2
/epd_power/+5V_VGH: C32.2 L5.1 U8.A1 U24.4 U24.5
/epd_power/+5V_VSH: C17.2 L10.1 U7.A1 U23.4 U23.5
GND: C1.1 C2.1 C3.2 C4.1 C5.1 C6.2 C10.2 C13.2 C14.2 C15.2 C16.2 C17.1 C18.2 C19.2 C20.2 C21.2 C22.2 C23.2 C24.2 C25.2 C26.2 C27.1 C28.2 C29.1 C30.2 C31.2 C32.1 C34.2 C36.2 C37.1 C38.2 C39.2 C40.2 C42.1 C43.2 C44.1 C45.1 C46.2 C47.2 C48.2 C49.1 C50.2 C51.1 C52.1 C53.1 C54.1 C56.1 C57.2 C58.2 C59.2 C60.2 C61.2 C62.2 C63.2 C64.1 C67.2 C68.2 C69.2 C70.2 C71.2 C72.2 C73.2 C74.2 C75.2 C76.2 C77.2 C78.2 C79.2 C80.2 C81.2 C82.2 C83.2 C84.2 C85.2 C86.2 C87.2 C89.1 C90.1 C91.2 C92.2 C93.2 C94.1 C96.1 C97.1 C98.1 C99.1 C102.1 C103.1 C104.1 C113.2 C114.2 C115.2 C116.2 C117.2 C118.2 C119.2 C120.2 C121.2 C122.2 C123.2 C124.2 C125.2 C126.2 C127.2 C128.2 C129.2 C130.2 C131.2 C132.2 C133.2 C134.2 C135.2 C136.2 C137.2 C138.2 C139.2 C140.1 C141.2 C142.2 C143.2 C144.2 C145.1 C146.1 C147.2 C148.2 C149.2 C150.2 C151.1 C152.1 C155.2 C156.2 C157.2 C158.2 C159.2 C160.1 C161.2 C162.2 C163.1 C164.1 C166.1 C167.1 C168.1 C169.1 C170.2 C171.1 C172.2 C175.2 C176.2 C177.2 C178.2 C179.2 C182.2 C183.2 C184.2 C185.2 C186.2 C187.2 C188.2 C189.2 C190.2 C207.1 C214.2 C215.2 D5.2 D8.1 D9.3 D9.8 D10.3 D10.8 D11.3 D11.8 D12.3 D12.8 D13.3 D13.8 D19.1 D20.1 H1.1 H3.1 H4.1 H5.1 H6.1 H7.1 H8.1 H9.1 H12.1 H13.1 H14.1 H15.1 H16.1 H17.1 H18.1 H19.1 H20.1 H21.1 H22.1 H23.1 H25.1 H26.1 J1.A1 J1.A12 J1.B1 J1.B12 J1.S1 J2.8 J3.1 J3.4 J3.7 J3.10 J3.13 J3.16 J3.MP J4.1 J4.4 J4.7 J4.10 J4.13 J4.SH J5.2 J5.4 J5.6 J5.8 J5.10 J6.14 J6.16 J6.19 J6.22 J6.25 J6.28 J6.31 J6.34 J6.37 J6.40 J6.MP J7.6 J7.10 J7.11 J7.12 J7.13 L6.2 L12.2 Q2.2 R1.1 R2.1 R4.2 R6.2 R9.1 R17.1 R18.2 R21.1 R23.1 R25.1 R29.1 R31.1 R36.2 R40.2 R44.2 R48.2 R51.2 R58.2 R79.1 R87.1 R88.2 R97.1 R101.2 R102.2 R103.2 R105.2 R124.1 U1.A1 U1.A16 U1.B7 U1.B11 U1.D4 U1.D13 U1.E9 U1.G2 U1.G8 U1.G15 U1.H7 U1.H9 U1.H12 U1.J5 U1.J8 U1.K7 U1.K9 U1.L2 U1.L15 U1.M8 U1.N13 U1.P3 U1.R6 U1.R10 U1.T1 U1.T16 U2.2 U3.10 U3.19 U3.26 U3.49 U3.74 U3.99 U4.2 U5.2 U6.2 U7.B1 U8.B1 U10.2 U12.A9 U12.B1 U12.B3 U12.B9 U12.D1 U12.D8 U12.E1 U12.E2 U12.E8 U12.F9 U12.G1 U12.G8 U12.G9 U12.J1 U12.J2 U12.J8 U12.J9 U12.L1 U12.L9 U12.M1 U12.M9 U12.P1 U12.P9 U12.T1 U12.T9 U13.1 U13.3 U13.6 U13.12 U13.14 U14.4 U14.9 U15.65 U16.2 U17.8 U17.9 U17.12 U17.13 U17.15 U18.2 U18.5 U18.11 U18.20 U18.21 U19.3 U19.17 U19.18 U19.56 U19.57 U20.2 U21.3 U21.5 U21.17 U22.3 U22.17 U23.2 U24.2 U27.1 U27.2 U27.3 U27.17 U28.2 X1.2 Y1.2 Y1.4 Y3.2 Y3.4
VBUS_MEA: C91.1 R50.2 R51.1 U3.35
+DRAM_VREF: C69.1 C70.1 C73.1 C76.1 C88.2 C144.1 R104.2 R105.1 U1.A3 U1.M3 U12.H1 U12.M8
+VGH: C41.2 C44.2 C62.1 D2.1 J6.3 R24.2 R98.2
+VP: C158.1 C165.2 C166.2 C167.2 D15.1 J6.49 R78.2 R96.2
-VCOM: C56.2 C61.1 J6.5 Q6.3 R64.2
-VGL: C33.1 C46.1 C63.1 D3.2 D6.2 J6.1 R19.1 R94.1 R117.1 U9.2
-VN: C54.2 C159.1 C173.1 C176.1 C177.1 D6.1 D17.2 J6.47 R26.1 R34.1 R62.2 R89.1 R115.1 U11.2 U26.2
/dp_in/CC1: D13.4 D13.7 J1.A5 U17.10 U17.11
/dp_in/CC2: D13.5 D13.6 J1.B5 U17.1 U17.14
/dp_in/DP0N: U18.7 U19.5
/dp_in/DP0P: U18.8 U19.4
/dp_in/DP1N: U18.3 U19.8
/dp_in/DP1P: U18.4 U19.7
/dp_in/DPAUXN: C112.2 U19.1
